# Altium PCB 24V-12V_5X4.PcbDoc (part 3 of 4)
Units mm, origin at the board's own origin, x right, y up, seen from the top; angles counter-clockwise.
Board outline 50.6 x 38 mm, 2 copper layers (Top Layer, Bottom Layer); 700 components, 0 nets, 2336 pads, 480 vias.
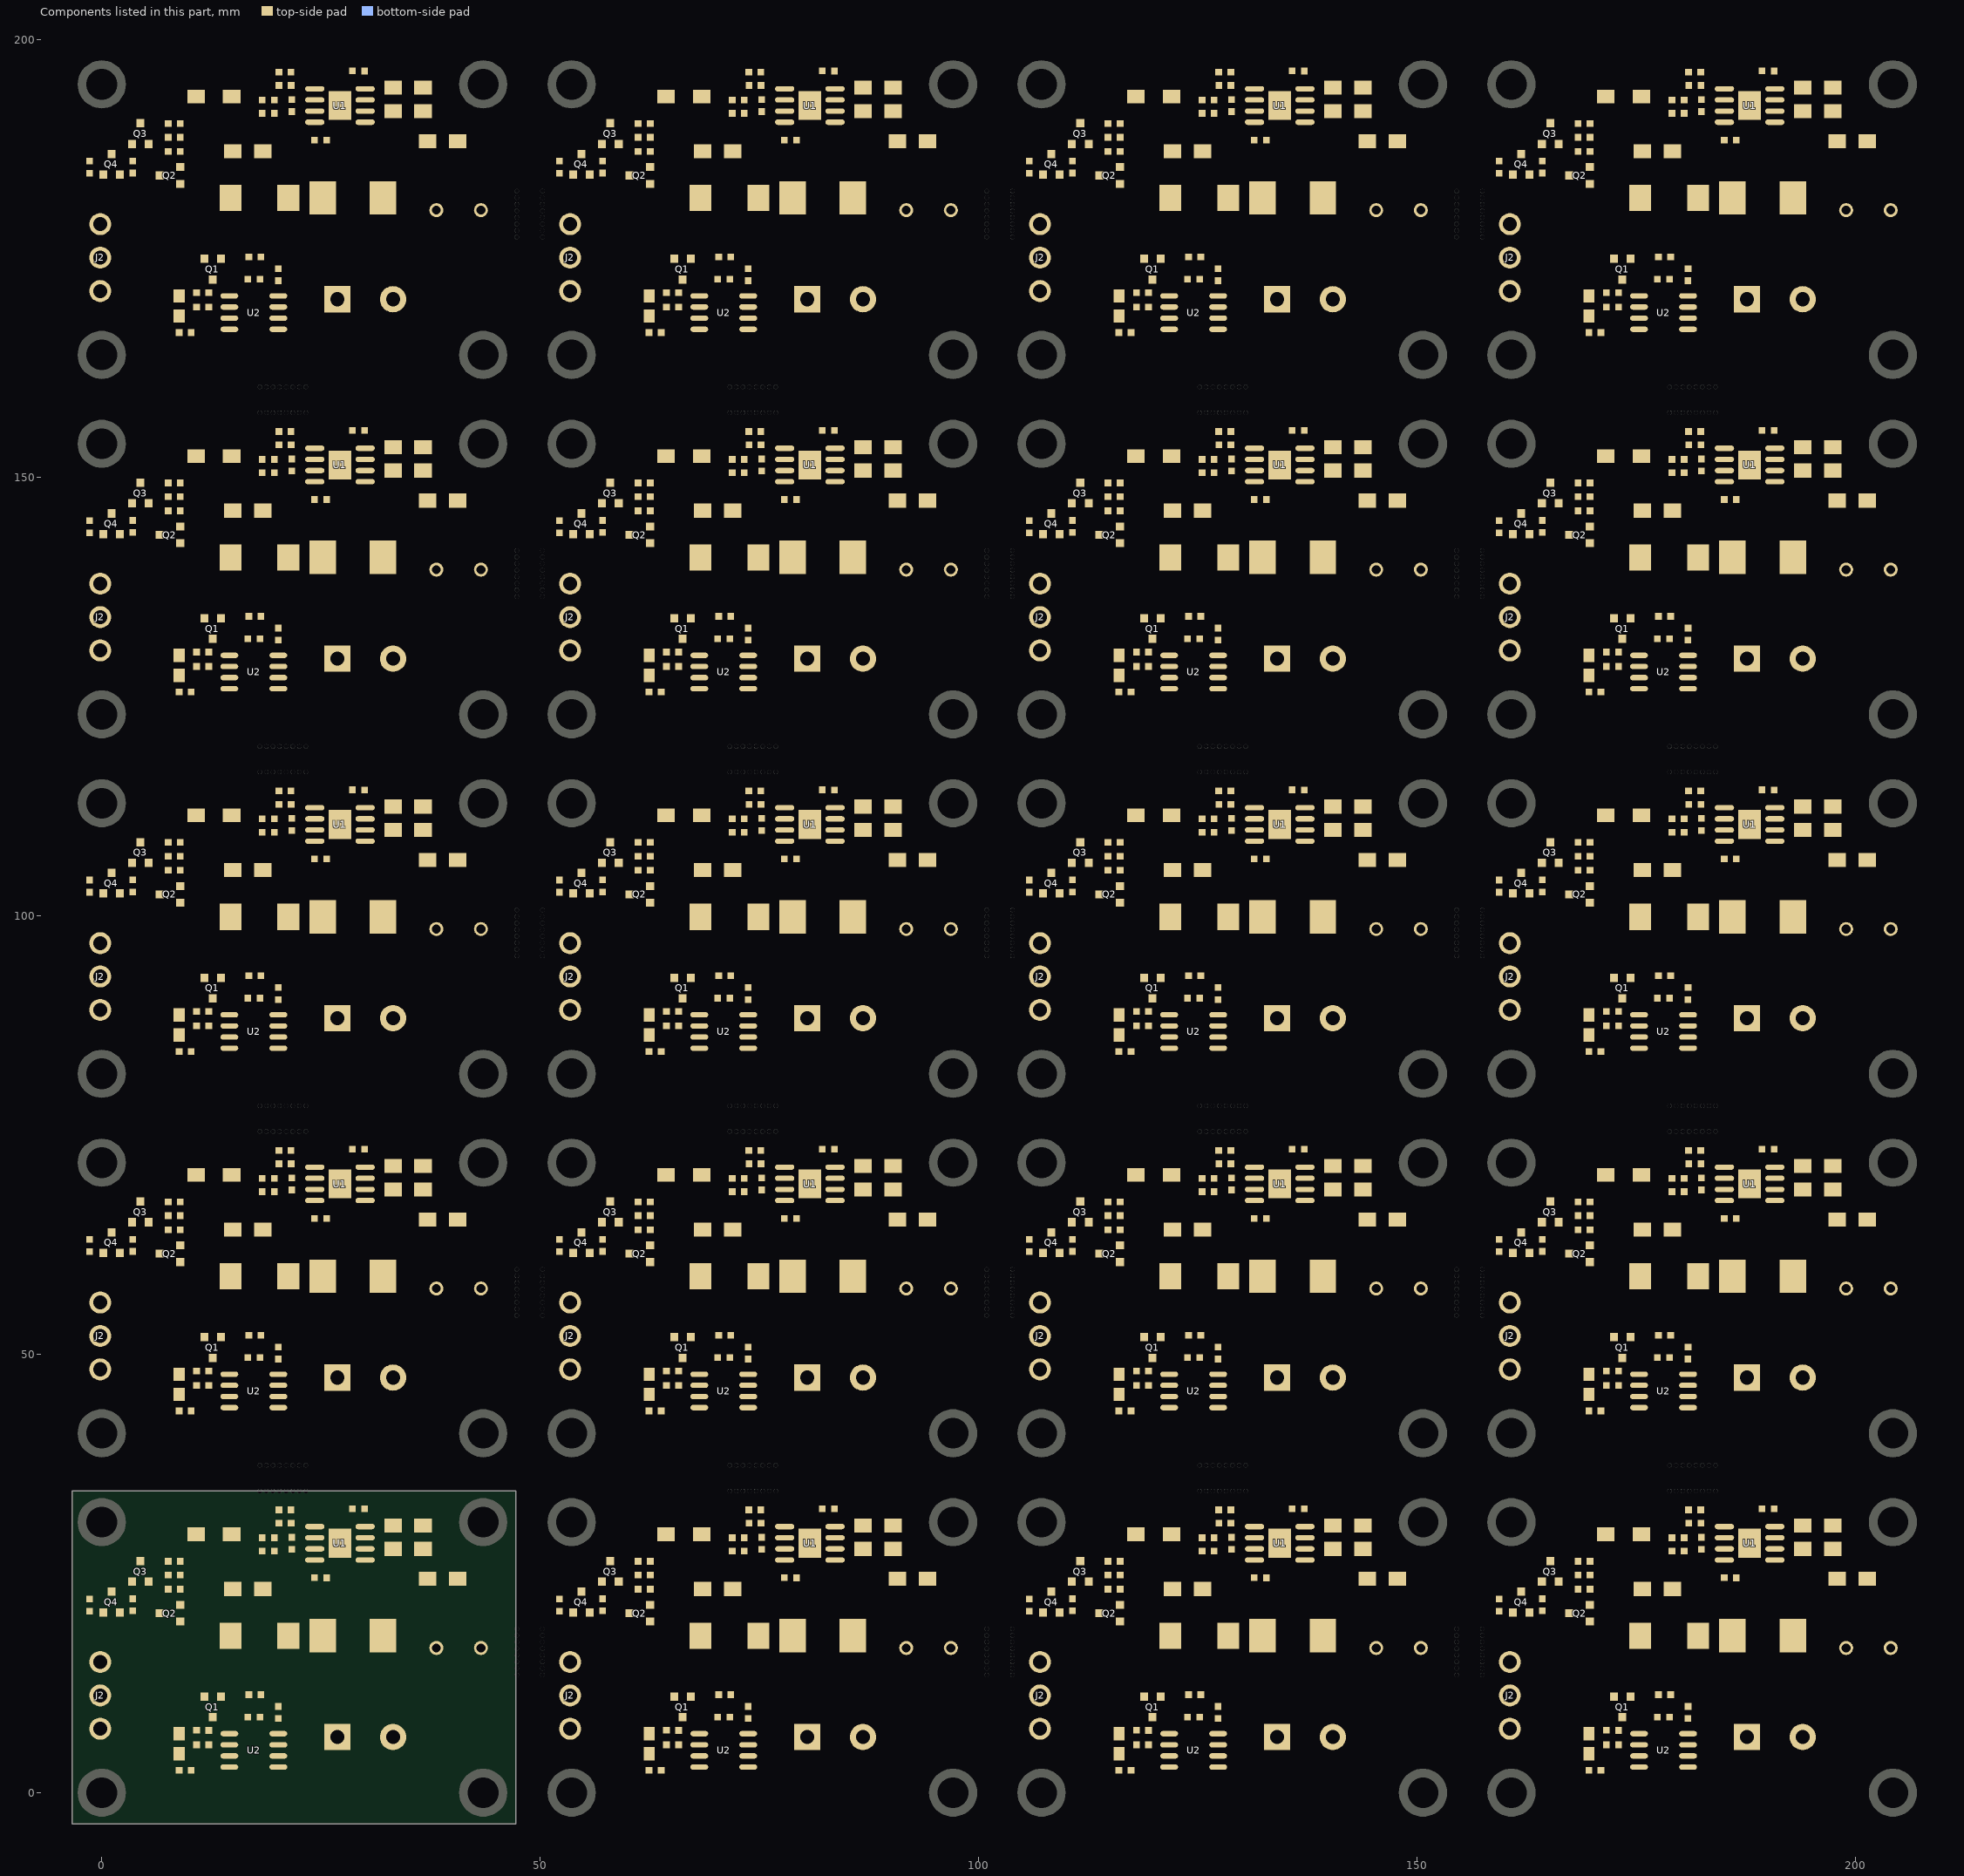
[diagram p3: the components of this part, seen from the top]

## Via types
v1: diameter 0.5, hole 0.3, Top Layer to Bottom Layer, tented both sides, 360 vias
v2: diameter 1.2, hole 1, Top Layer to Bottom Layer, tented both sides, 100 vias
v3: diameter 1.7, hole 1.5, Top Layer to Bottom Layer, tented both sides, 20 vias

## Nets (pads, with @x,y where several pads share a name; then routed paths per layer and width w, separated by ;. In a path a pad name is that pad's centre, name@x,y a point inside that pad or via, vN(x,y) a via of type N, cw(c..) or ccw(c..) an arc to the next point about the centre after c; other vN are vias at no path point) (continued)
copper on no net: | length 6009.5
  Top Layer w0.3: -1.399,20.714 0.021,20.714 0.168,20.567 0.168,15.255 -0.178,14.91 ; -1.399,61.714 0.021,61.714 0.168,61.567 0.168,56.255 -0.178,55.91 ; -1.399,102.714 0.021,102.714 0.168,102.567 0.168,97.255 -0.178,96.91 ; -1.399,143.714 0.021,143.714 0.168,143.567 0.168,138.255 -0.178,137.91 ; -1.399,184.714 0.021,184.714 0.168,184.567 0.168,179.255 -0.178,178.91 ; 1.118,22.917 1.912,22.123 3.531,22.123 ; 1.118,63.917 1.912,63.123 3.531,63.123 ; 1.118,104.917 1.912,104.123 3.531,104.123 ; 1.118,145.917 1.912,145.123 3.531,145.123 ; 1.118,186.917 1.912,186.123 3.531,186.123 ; 3.47,24.073 3.531,24.012 3.531,22.123 ; 3.47,65.073 3.531,65.012 3.531,63.123 ; 3.47,106.073 3.531,106.012 3.531,104.123 ; 3.47,147.073 3.531,147.012 3.531,145.123 ; 3.47,188.073 3.531,188.012 3.531,186.123 ; 4.42,26.423 7.561,26.423 7.582,26.443 ; 4.42,67.423 7.561,67.423 7.582,67.443 ; 4.42,108.423 7.561,108.423 7.582,108.443 ; 4.42,149.423 7.561,149.423 7.582,149.443 ; 4.42,190.423 7.561,190.423 7.582,190.443 ; 7.582,23.395 6.31,22.123 3.531,22.123 ; 7.582,24.817 8.966,26.202 8.966,26.391 10.185,26.391 v1(10.668,25.908) ; 7.582,64.395 6.31,63.123 3.531,63.123 ; 7.582,65.817 8.966,67.202 8.966,67.391 10.185,67.391 v1(10.668,66.908) ; 7.582,105.395 6.31,104.123 3.531,104.123 ; 7.582,106.817 8.966,108.202 8.966,108.391 10.185,108.391 v1(10.668,107.908) ; 7.582,146.395 6.31,145.123 3.531,145.123 ; 7.582,147.817 8.966,149.202 8.966,149.391 10.185,149.391 v1(10.668,148.908) ; 7.582,187.395 6.31,186.123 3.531,186.123 ; 7.582,188.817 8.966,190.202 8.966,190.391 10.185,190.391 v1(10.668,189.908) ; 8.947,19.522 10.48,19.522 10.668,19.71 v1(10.668,21.539) ; 8.947,60.522 10.48,60.522 10.668,60.71 v1(10.668,62.539) ; 8.947,101.522 10.48,101.522 10.668,101.71 v1(10.668,103.539) ; 8.947,142.522 10.48,142.522 10.668,142.71 v1(10.668,144.539) ; 8.947,183.522 10.48,183.522 10.668,183.71 v1(10.668,185.539) ; 52.201,20.714 53.621,20.714 53.768,20.567 53.768,15.255 53.422,14.91 ; 52.201,61.714 53.621,61.714 53.768,61.567 53.768,56.255 53.422,55.91 ; 52.201,102.714 53.621,102.714 53.768,102.567 53.768,97.255 53.422,96.91 ; 52.201,143.714 53.621,143.714 53.768,143.567 53.768,138.255 53.422,137.91 ; 52.201,184.714 53.621,184.714 53.768,184.567 53.768,179.255 53.422,178.91 ; 54.718,22.917 55.512,22.123 57.131,22.123 ; 54.718,63.917 55.512,63.123 57.131,63.123 ; 54.718,104.917 55.512,104.123 57.131,104.123 ; 54.718,145.917 55.512,145.123 57.131,145.123 ; 54.718,186.917 55.512,186.123 57.131,186.123 ; 57.07,24.073 57.131,24.012 57.131,22.123 ; 57.07,65.073 57.131,65.012 57.131,63.123 ; 57.07,106.073 57.131,106.012 57.131,104.123 ; 57.07,147.073 57.131,147.012 57.131,145.123 ; 57.07,188.073 57.131,188.012 57.131,186.123 ; 58.02,26.423 61.161,26.423 61.182,26.443 ; 58.02,67.423 61.161,67.423 61.182,67.443 ; 58.02,108.423 61.161,108.423 61.182,108.443 ; 58.02,149.423 61.161,149.423 61.182,149.443 ; 58.02,190.423 61.161,190.423 61.182,190.443 ; 61.182,23.395 59.91,22.123 57.131,22.123 ; 61.182,24.817 62.566,26.202 62.566,26.391 63.785,26.391 v1(64.268,25.908) ; 61.182,64.395 59.91,63.123 57.131,63.123 ; 61.182,65.817 62.566,67.202 62.566,67.391 63.785,67.391 v1(64.268,66.908) ; 61.182,105.395 59.91,104.123 57.131,104.123 ; 61.182,106.817 62.566,108.202 62.566,108.391 63.785,108.391 v1(64.268,107.908) ; 61.182,146.395 59.91,145.123 57.131,145.123 ; 61.182,147.817 62.566,149.202 62.566,149.391 63.785,149.391 v1(64.268,148.908) ; 61.182,187.395 59.91,186.123 57.131,186.123 ; 61.182,188.817 62.566,190.202 62.566,190.391 63.785,190.391 v1(64.268,189.908) ; 62.547,19.522 64.08,19.522 64.268,19.71 v1(64.268,21.539) ; 62.547,60.522 64.08,60.522 64.268,60.71 v1(64.268,62.539) ; 62.547,101.522 64.08,101.522 64.268,101.71 v1(64.268,103.539) ; 62.547,142.522 64.08,142.522 64.268,142.71 v1(64.268,144.539) ; 62.547,183.522 64.08,183.522 64.268,183.71 v1(64.268,185.539) ; 105.801,20.714 107.221,20.714 107.368,20.567 107.368,15.255 107.022,14.91 ; 105.801,61.714 107.221,61.714 107.368,61.567 107.368,56.255 107.022,55.91 ; 105.801,102.714 107.221,102.714 107.368,102.567 107.368,97.255 107.022,96.91 ; 105.801,143.714 107.221,143.714 107.368,143.567 107.368,138.255 107.022,137.91 ; 105.801,184.714 107.221,184.714 107.368,184.567 107.368,179.255 107.022,178.91 ; 108.318,22.917 109.112,22.123 110.731,22.123 ; 108.318,63.917 109.112,63.123 110.731,63.123 ; 108.318,104.917 109.112,104.123 110.731,104.123 ; 108.318,145.917 109.112,145.123 110.731,145.123 ; 108.318,186.917 109.112,186.123 110.731,186.123 ; 110.67,24.073 110.731,24.012 110.731,22.123 ; 110.67,65.073 110.731,65.012 110.731,63.123 ; 110.67,106.073 110.731,106.012 110.731,104.123 ; 110.67,147.073 110.731,147.012 110.731,145.123 ; 110.67,188.073 110.731,188.012 110.731,186.123 ; 111.62,26.423 114.761,26.423 114.782,26.443 ; 111.62,67.423 114.761,67.423 114.782,67.443 ; 111.62,108.423 114.761,108.423 114.782,108.443 ; 111.62,149.423 114.761,149.423 114.782,149.443 ; 111.62,190.423 114.761,190.423 114.782,190.443 ; 114.782,23.395 113.51,22.123 110.731,22.123 ; 114.782,24.817 116.166,26.202 116.166,26.391 117.385,26.391 v1(117.868,25.908) ; 114.782,64.395 113.51,63.123 110.731,63.123 ; 114.782,65.817 116.166,67.202 116.166,67.391 117.385,67.391 v1(117.868,66.908) ; 114.782,105.395 113.51,104.123 110.731,104.123 ; 114.782,106.817 116.166,108.202 116.166,108.391 117.385,108.391 v1(117.868,107.908) ; 114.782,146.395 113.51,145.123 110.731,145.123 ; 114.782,147.817 116.166,149.202 116.166,149.391 117.385,149.391 v1(117.868,148.908) ; 114.782,187.395 113.51,186.123 110.731,186.123 ; 114.782,188.817 116.166,190.202 116.166,190.391 117.385,190.391 v1(117.868,189.908) ; 116.147,19.522 117.68,19.522 117.868,19.71 v1(117.868,21.539) ; 116.147,60.522 117.68,60.522 117.868,60.71 v1(117.868,62.539) ; 116.147,101.522 117.68,101.522 117.868,101.71 v1(117.868,103.539) ; 116.147,142.522 117.68,142.522 117.868,142.71 v1(117.868,144.539) ; 116.147,183.522 117.68,183.522 117.868,183.71 v1(117.868,185.539) ; 159.401,20.714 160.821,20.714 160.968,20.567 160.968,15.255 160.622,14.91 ; 159.401,61.714 160.821,61.714 160.968,61.567 160.968,56.255 160.622,55.91 ; 159.401,102.714 160.821,102.714 160.968,102.567 160.968,97.255 160.622,96.91 ; 159.401,143.714 160.821,143.714 160.968,143.567 160.968,138.255 160.622,137.91 ; 159.401,184.714 160.821,184.714 160.968,184.567 160.968,179.255 160.622,178.91 ; 161.918,22.917 162.712,22.123 164.331,22.123 ; 161.918,63.917 162.712,63.123 164.331,63.123 ; 161.918,104.917 162.712,104.123 164.331,104.123 ; 161.918,145.917 162.712,145.123 164.331,145.123 ; 161.918,186.917 162.712,186.123 164.331,186.123 ; 164.27,24.073 164.331,24.012 164.331,22.123 ; 164.27,65.073 164.331,65.012 164.331,63.123 ; 164.27,106.073 164.331,106.012 164.331,104.123 ; 164.27,147.073 164.331,147.012 164.331,145.123 ; 164.27,188.073 164.331,188.012 164.331,186.123 ; 165.22,26.423 168.361,26.423 168.382,26.443 ; 165.22,67.423 168.361,67.423 168.382,67.443 ; 165.22,108.423 168.361,108.423 168.382,108.443 ; 165.22,149.423 168.361,149.423 168.382,149.443 ; 165.22,190.423 168.361,190.423 168.382,190.443 ; 168.382,23.395 167.11,22.123 164.331,22.123 ; 168.382,24.817 169.766,26.202 169.766,26.391 170.985,26.391 v1(171.468,25.908) ; 168.382,64.395 167.11,63.123 164.331,63.123 ; 168.382,65.817 169.766,67.202 169.766,67.391 170.985,67.391 v1(171.468,66.908) ; 168.382,105.395 167.11,104.123 164.331,104.123 ; 168.382,106.817 169.766,108.202 169.766,108.391 170.985,108.391 v1(171.468,107.908) ; 168.382,146.395 167.11,145.123 164.331,145.123 ; 168.382,147.817 169.766,149.202 169.766,149.391 170.985,149.391 v1(171.468,148.908) ; 168.382,187.395 167.11,186.123 164.331,186.123 ; 168.382,188.817 169.766,190.202 169.766,190.391 170.985,190.391 v1(171.468,189.908) ; 169.747,19.522 171.28,19.522 171.468,19.71 v1(171.468,21.539) ; 169.747,60.522 171.28,60.522 171.468,60.71 v1(171.468,62.539) ; 169.747,101.522 171.28,101.522 171.468,101.71 v1(171.468,103.539) ; 169.747,142.522 171.28,142.522 171.468,142.71 v1(171.468,144.539) ; 169.747,183.522 171.28,183.522 171.468,183.71 v1(171.468,185.539)
  Top Layer w0.6: 25.654,24.511 29.286,24.511 30.045,25.27 30.045,26.542 ; 25.654,65.511 29.286,65.511 30.045,66.27 30.045,67.542 ; 25.654,106.511 29.286,106.511 30.045,107.27 30.045,108.542 ; 25.654,147.511 29.286,147.511 30.045,148.27 30.045,149.542 ; 25.654,188.511 29.286,188.511 30.045,189.27 30.045,190.542 ; 79.254,24.511 82.886,24.511 83.645,25.27 83.645,26.542 ; 79.254,65.511 82.886,65.511 83.645,66.27 83.645,67.542 ; 79.254,106.511 82.886,106.511 83.645,107.27 83.645,108.542 ; 79.254,147.511 82.886,147.511 83.645,148.27 83.645,149.542 ; 79.254,188.511 82.886,188.511 83.645,189.27 83.645,190.542 ; 132.854,24.511 136.486,24.511 137.245,25.27 137.245,26.542 ; 132.854,65.511 136.486,65.511 137.245,66.27 137.245,67.542 ; 132.854,106.511 136.486,106.511 137.245,107.27 137.245,108.542 ; 132.854,147.511 136.486,147.511 137.245,148.27 137.245,149.542 ; 132.854,188.511 136.486,188.511 137.245,189.27 137.245,190.542 ; 186.454,24.511 190.086,24.511 190.845,25.27 190.845,26.542 ; 186.454,65.511 190.086,65.511 190.845,66.27 190.845,67.542 ; 186.454,106.511 190.086,106.511 190.845,107.27 190.845,108.542 ; 186.454,147.511 190.086,147.511 190.845,148.27 190.845,149.542 ; 186.454,188.511 190.086,188.511 190.845,189.27 190.845,190.542
  Top Layer w0.7: 8.589,7.112 10.82,7.112 ; 8.589,48.112 10.82,48.112 ; 8.589,89.112 10.82,89.112 ; 8.589,130.112 10.82,130.112 ; 8.589,171.112 10.82,171.112 ; 8.841,2.607 8.841,4.192 14.557,4.192 ; 8.841,43.607 8.841,45.192 14.557,45.192 ; 8.841,84.607 8.841,86.192 14.557,86.192 ; 8.841,125.607 8.841,127.192 14.557,127.192 ; 8.841,166.607 8.841,168.192 14.557,168.192 ; 12.205,5.459 12.208,5.462 14.557,5.462 15.826,5.462 16.662,6.299 16.662,8.636 ; 12.205,7.11 12.649,7.555 12.649,8.604 ; 12.205,46.459 12.208,46.462 14.557,46.462 15.826,46.462 16.662,47.299 16.662,49.636 ; 12.205,48.11 12.649,48.555 12.649,49.604 ; 12.205,87.459 12.208,87.462 14.557,87.462 15.826,87.462 16.662,88.299 16.662,90.636 ; 12.205,89.11 12.649,89.555 12.649,90.604 ; 12.205,128.459 12.208,128.462 14.557,128.462 15.826,128.462 16.662,129.299 16.662,131.636 ; 12.205,130.11 12.649,130.555 12.649,131.604 ; 12.205,169.459 12.208,169.462 14.557,169.462 15.826,169.462 16.662,170.299 16.662,172.636 ; 12.205,171.11 12.649,171.555 12.649,172.604 ; 13.599,10.954 13.823,11.178 16.777,11.178 ; 13.599,51.954 13.823,52.178 16.777,52.178 ; 13.599,92.954 13.823,93.178 16.777,93.178 ; 13.599,133.954 13.823,134.178 16.777,134.178 ; 13.599,174.954 13.823,175.178 16.777,175.178 ; 14.557,6.732 14.557,9.274 15.189,9.906 20.144,9.906 ; 14.557,47.732 14.557,50.274 15.189,50.906 20.144,50.906 ; 14.557,88.732 14.557,91.274 15.189,91.906 20.144,91.906 ; 14.557,129.732 14.557,132.274 15.189,132.906 20.144,132.906 ; 14.557,170.732 14.557,173.274 15.189,173.906 20.144,173.906 ; 18.047,8.634 18.047,7.302 18.617,6.732 20.145,6.732 20.145,8.455 ; 18.047,49.634 18.047,48.302 18.617,47.732 20.145,47.732 20.145,49.455 ; 18.047,90.634 18.047,89.302 18.617,88.732 20.145,88.732 20.145,90.455 ; 18.047,131.634 18.047,130.302 18.617,129.732 20.145,129.732 20.145,131.455 ; 18.047,172.634 18.047,171.302 18.617,170.732 20.145,170.732 20.145,172.455 ; 18.161,9.982 18.161,11.176 ; 18.161,50.982 18.161,52.176 ; 18.161,91.982 18.161,93.176 ; 18.161,132.982 18.161,134.176 ; 18.161,173.982 18.161,175.176 ; 18.313,27.559 18.313,29.086 ; 18.313,68.559 18.313,70.086 ; 18.313,109.559 18.313,111.086 ; 18.313,150.559 18.313,152.086 ; 18.313,191.559 18.313,193.086 ; 19.698,29.085 19.701,29.082 24.298,29.082 ; 19.698,70.085 19.701,70.082 24.298,70.082 ; 19.698,111.085 19.701,111.082 24.298,111.082 ; 19.698,152.085 19.701,152.082 24.298,152.082 ; 19.698,193.085 19.701,193.082 24.298,193.082 ; 21.59,30.734 21.59,32.244 21.603,32.256 ; 21.59,71.734 21.59,73.244 21.603,73.256 ; 21.59,112.734 21.59,114.244 21.603,114.256 ; 21.59,153.734 21.59,155.244 21.603,155.256 ; 21.59,194.734 21.59,196.244 21.603,196.256 ; 29.972,32.385 30.045,32.312 30.045,30.352 ; 29.972,73.385 30.045,73.312 30.045,71.352 ; 29.972,114.385 30.045,114.312 30.045,112.352 ; 29.972,155.385 30.045,155.312 30.045,153.352 ; 29.972,196.385 30.045,196.312 30.045,194.352 ; 62.189,7.112 64.42,7.112 ; 62.189,48.112 64.42,48.112 ; 62.189,89.112 64.42,89.112 ; 62.189,130.112 64.42,130.112 ; 62.189,171.112 64.42,171.112 ; 62.441,2.607 62.441,4.192 68.157,4.192 ; 62.441,43.607 62.441,45.192 68.157,45.192 ; 62.441,84.607 62.441,86.192 68.157,86.192 ; 62.441,125.607 62.441,127.192 68.157,127.192 ; 62.441,166.607 62.441,168.192 68.157,168.192 ; 65.805,5.459 65.808,5.462 68.157,5.462 69.426,5.462 70.262,6.299 70.262,8.636 ; 65.805,7.11 66.249,7.555 66.249,8.604 ; 65.805,46.459 65.808,46.462 68.157,46.462 69.426,46.462 70.262,47.299 70.262,49.636 ; 65.805,48.11 66.249,48.555 66.249,49.604 ; 65.805,87.459 65.808,87.462 68.157,87.462 69.426,87.462 70.262,88.299 70.262,90.636 ; 65.805,89.11 66.249,89.555 66.249,90.604 ; 65.805,128.459 65.808,128.462 68.157,128.462 69.426,128.462 70.262,129.299 70.262,131.636 ; 65.805,130.11 66.249,130.555 66.249,131.604 ; 65.805,169.459 65.808,169.462 68.157,169.462 69.426,169.462 70.262,170.299 70.262,172.636 ; 65.805,171.11 66.249,171.555 66.249,172.604 ; 67.199,10.954 67.423,11.178 70.377,11.178 ; 67.199,51.954 67.423,52.178 70.377,52.178 ; 67.199,92.954 67.423,93.178 70.377,93.178 ; 67.199,133.954 67.423,134.178 70.377,134.178 ; 67.199,174.954 67.423,175.178 70.377,175.178 ; 68.157,6.732 68.157,9.274 68.789,9.906 73.744,9.906 ; 68.157,47.732 68.157,50.274 68.789,50.906 73.744,50.906 ; 68.157,88.732 68.157,91.274 68.789,91.906 73.744,91.906 ; 68.157,129.732 68.157,132.274 68.789,132.906 73.744,132.906 ; 68.157,170.732 68.157,173.274 68.789,173.906 73.744,173.906 ; 71.647,8.634 71.647,7.302 72.217,6.732 73.745,6.732 73.745,8.455 ; 71.647,49.634 71.647,48.302 72.217,47.732 73.745,47.732 73.745,49.455 ; 71.647,90.634 71.647,89.302 72.217,88.732 73.745,88.732 73.745,90.455 ; 71.647,131.634 71.647,130.302 72.217,129.732 73.745,129.732 73.745,131.455 ; 71.647,172.634 71.647,171.302 72.217,170.732 73.745,170.732 73.745,172.455 ; 71.761,9.982 71.761,11.176 ; 71.761,50.982 71.761,52.176 ; 71.761,91.982 71.761,93.176 ; 71.761,132.982 71.761,134.176 ; 71.761,173.982 71.761,175.176 ; 71.913,27.559 71.913,29.086 ; 71.913,68.559 71.913,70.086 ; 71.913,109.559 71.913,111.086 ; 71.913,150.559 71.913,152.086 ; 71.913,191.559 71.913,193.086 ; 73.298,29.085 73.301,29.082 77.898,29.082 ; 73.298,70.085 73.301,70.082 77.898,70.082 ; 73.298,111.085 73.301,111.082 77.898,111.082 ; 73.298,152.085 73.301,152.082 77.898,152.082 ; 73.298,193.085 73.301,193.082 77.898,193.082 ; 75.19,30.734 75.19,32.244 75.203,32.256 ; 75.19,71.734 75.19,73.244 75.203,73.256 ; 75.19,112.734 75.19,114.244 75.203,114.256 ; 75.19,153.734 75.19,155.244 75.203,155.256 ; 75.19,194.734 75.19,196.244 75.203,196.256 ; 83.572,32.385 83.645,32.312 83.645,30.352 ; 83.572,73.385 83.645,73.312 83.645,71.352 ; 83.572,114.385 83.645,114.312 83.645,112.352 ; 83.572,155.385 83.645,155.312 83.645,153.352 ; 83.572,196.385 83.645,196.312 83.645,194.352 ; 115.789,7.112 118.02,7.112 ; 115.789,48.112 118.02,48.112 ; 115.789,89.112 118.02,89.112 ; 115.789,130.112 118.02,130.112 ; 115.789,171.112 118.02,171.112 ; 116.041,2.607 116.041,4.192 121.757,4.192 ; 116.041,43.607 116.041,45.192 121.757,45.192 ; 116.041,84.607 116.041,86.192 121.757,86.192 ; 116.041,125.607 116.041,127.192 121.757,127.192 ; 116.041,166.607 116.041,168.192 121.757,168.192 ; 119.405,5.459 119.408,5.462 121.757,5.462 123.026,5.462 123.862,6.299 123.862,8.636 ; 119.405,7.11 119.849,7.555 119.849,8.604 ; 119.405,46.459 119.408,46.462 121.757,46.462 123.026,46.462 123.862,47.299 123.862,49.636 ; 119.405,48.11 119.849,48.555 119.849,49.604 ; 119.405,87.459 119.408,87.462 121.757,87.462 123.026,87.462 123.862,88.299 123.862,90.636 ; 119.405,89.11 119.849,89.555 119.849,90.604 ; 119.405,128.459 119.408,128.462 121.757,128.462 123.026,128.462 123.862,129.299 123.862,131.636 ; 119.405,130.11 119.849,130.555 119.849,131.604 ; 119.405,169.459 119.408,169.462 121.757,169.462 123.026,169.462 123.862,170.299 123.862,172.636 ; 119.405,171.11 119.849,171.555 119.849,172.604 ; 120.799,10.954 121.023,11.178 123.977,11.178 ; 120.799,51.954 121.023,52.178 123.977,52.178 ; 120.799,92.954 121.023,93.178 123.977,93.178 ; 120.799,133.954 121.023,134.178 123.977,134.178 ; 120.799,174.954 121.023,175.178 123.977,175.178 ; 121.757,6.732 121.757,9.274 122.389,9.906 127.344,9.906 ; 121.757,47.732 121.757,50.274 122.389,50.906 127.344,50.906 ; 121.757,88.732 121.757,91.274 122.389,91.906 127.344,91.906 ; 121.757,129.732 121.757,132.274 122.389,132.906 127.344,132.906 ; 121.757,170.732 121.757,173.274 122.389,173.906 127.344,173.906 ; 125.247,8.634 125.247,7.302 125.817,6.732 127.345,6.732 127.345,8.455 ; 125.247,49.634 125.247,48.302 125.817,47.732 127.345,47.732 127.345,49.455 ; 125.247,90.634 125.247,89.302 125.817,88.732 127.345,88.732 127.345,90.455 ; 125.247,131.634 125.247,130.302 125.817,129.732 127.345,129.732 127.345,131.455 ; 125.247,172.634 125.247,171.302 125.817,170.732 127.345,170.732 127.345,172.455 ; 125.361,9.982 125.361,11.176 ; 125.361,50.982 125.361,52.176 ; 125.361,91.982 125.361,93.176 ; 125.361,132.982 125.361,134.176 ; 125.361,173.982 125.361,175.176 ; 125.513,27.559 125.513,29.086 ; 125.513,68.559 125.513,70.086 ; 125.513,109.559 125.513,111.086 ; 125.513,150.559 125.513,152.086 ; 125.513,191.559 125.513,193.086 ; 126.898,29.085 126.901,29.082 131.498,29.082 ; 126.898,70.085 126.901,70.082 131.498,70.082 ; 126.898,111.085 126.901,111.082 131.498,111.082 ; 126.898,152.085 126.901,152.082 131.498,152.082 ; 126.898,193.085 126.901,193.082 131.498,193.082 ; 128.79,30.734 128.79,32.244 128.803,32.256 ; 128.79,71.734 128.79,73.244 128.803,73.256 ; 128.79,112.734 128.79,114.244 128.803,114.256 ; 128.79,153.734 128.79,155.244 128.803,155.256 ; 128.79,194.734 128.79,196.244 128.803,196.256 ; 137.172,32.385 137.245,32.312 137.245,30.352 ; 137.172,73.385 137.245,73.312 137.245,71.352 ; 137.172,114.385 137.245,114.312 137.245,112.352 ; 137.172,155.385 137.245,155.312 137.245,153.352 ; 137.172,196.385 137.245,196.312 137.245,194.352 ; 169.389,7.112 171.62,7.112 ; 169.389,48.112 171.62,48.112 ; 169.389,89.112 171.62,89.112 ; 169.389,130.112 171.62,130.112 ; 169.389,171.112 171.62,171.112 ; 169.641,2.607 169.641,4.192 175.357,4.192 ; 169.641,43.607 169.641,45.192 175.357,45.192 ; 169.641,84.607 169.641,86.192 175.357,86.192 ; 169.641,125.607 169.641,127.192 175.357,127.192 ; 169.641,166.607 169.641,168.192 175.357,168.192 ; 173.005,5.459 173.008,5.462 175.357,5.462 176.626,5.462 177.462,6.299 177.462,8.636 ; 173.005,7.11 173.449,7.555 173.449,8.604 ; 173.005,46.459 173.008,46.462 175.357,46.462 176.626,46.462 177.462,47.299 177.462,49.636 ; 173.005,48.11 173.449,48.555 173.449,49.604 ; 173.005,87.459 173.008,87.462 175.357,87.462 176.626,87.462 177.462,88.299 177.462,90.636 ; 173.005,89.11 173.449,89.555 173.449,90.604 ; 173.005,128.459 173.008,128.462 175.357,128.462 176.626,128.462 177.462,129.299 177.462,131.636 ; 173.005,130.11 173.449,130.555 173.449,131.604 ; 173.005,169.459 173.008,169.462 175.357,169.462 176.626,169.462 177.462,170.299 177.462,172.636 ; 173.005,171.11 173.449,171.555 173.449,172.604 ; 174.399,10.954 174.623,11.178 177.577,11.178 ; 174.399,51.954 174.623,52.178 177.577,52.178 ; 174.399,92.954 174.623,93.178 177.577,93.178 ; 174.399,133.954 174.623,134.178 177.577,134.178 ; 174.399,174.954 174.623,175.178 177.577,175.178 ; 175.357,6.732 175.357,9.274 175.989,9.906 180.944,9.906 ; 175.357,47.732 175.357,50.274 175.989,50.906 180.944,50.906 ; 175.357,88.732 175.357,91.274 175.989,91.906 180.944,91.906 ; 175.357,129.732 175.357,132.274 175.989,132.906 180.944,132.906 ; 175.357,170.732 175.357,173.274 175.989,173.906 180.944,173.906 ; 178.847,8.634 178.847,7.302 179.417,6.732 180.945,6.732 180.945,8.455 ; 178.847,49.634 178.847,48.302 179.417,47.732 180.945,47.732 180.945,49.455 ; 178.847,90.634 178.847,89.302 179.417,88.732 180.945,88.732 180.945,90.455 ; 178.847,131.634 178.847,130.302 179.417,129.732 180.945,129.732 180.945,131.455 ; 178.847,172.634 178.847,171.302 179.417,170.732 180.945,170.732 180.945,172.455 ; 178.961,9.982 178.961,11.176 ; 178.961,50.982 178.961,52.176 ; 178.961,91.982 178.961,93.176 ; 178.961,132.982 178.961,134.176 ; 178.961,173.982 178.961,175.176 ; 179.113,27.559 179.113,29.086 ; 179.113,68.559 179.113,70.086 ; 179.113,109.559 179.113,111.086 ; 179.113,150.559 179.113,152.086 ; 179.113,191.559 179.113,193.086 ; 180.498,29.085 180.501,29.082 185.098,29.082 ; 180.498,70.085 180.501,70.082 185.098,70.082 ; 180.498,111.085 180.501,111.082 185.098,111.082 ; 180.498,152.085 180.501,152.082 185.098,152.082 ; 180.498,193.085 180.501,193.082 185.098,193.082 ; 182.39,30.734 182.39,32.244 182.403,32.256 ; 182.39,71.734 182.39,73.244 182.403,73.256 ; 182.39,112.734 182.39,114.244 182.403,114.256 ; 182.39,153.734 182.39,155.244 182.403,155.256 ; 182.39,194.734 182.39,196.244 182.403,196.256 ; 190.772,32.385 190.845,32.312 190.845,30.352 ; 190.772,73.385 190.845,73.312 190.845,71.352 ; 190.772,114.385 190.845,114.312 190.845,112.352 ; 190.772,155.385 190.845,155.312 190.845,153.352 ; 190.772,196.385 190.845,196.312 190.845,194.352